# Allegro board 8880F5-0825_4.brd (continued)
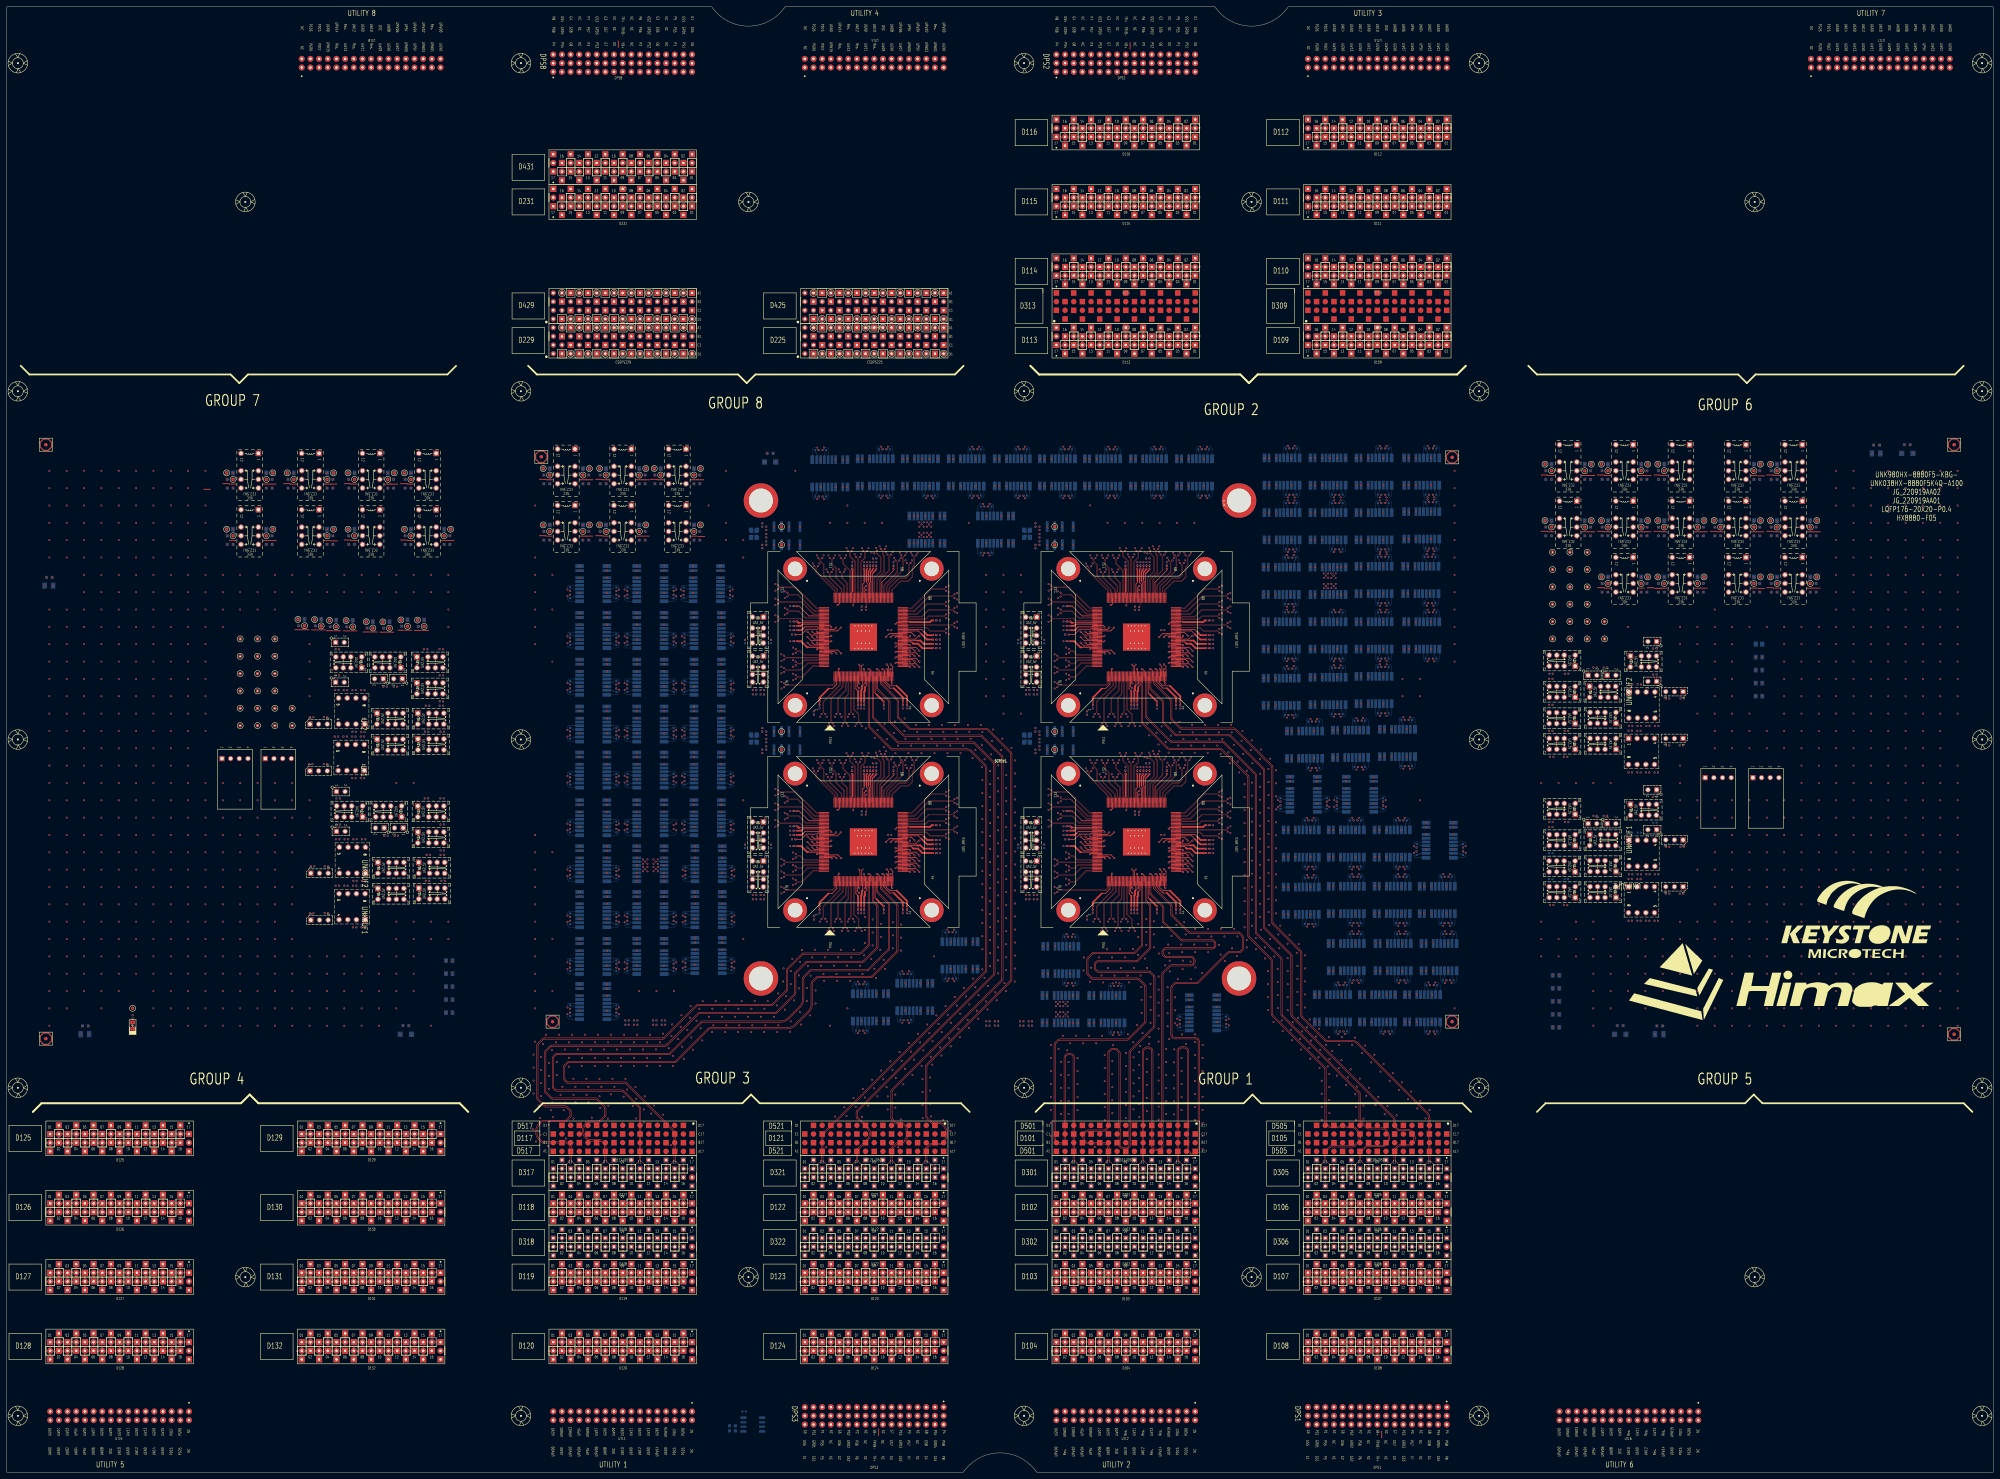
[diagram p0: board, top side]
## Routing (per net, layer and track width the routed paths; a pad name or vN(x,y) marks a point on that pad's centre or on a via; arc(x,y) is an arc through that point) (continued)
D31712: length 192.4
  TOP w0.147: D317.12 185.81,91.05 arc(185.65,91.29) 185.6,91.57 185.6,106.54 arc(185.54,106.82) 185.38,107.06 180.66,111.77 arc(180.42,111.93) 180.14,111.99 161,111.99 arc(160.87,112.01) 160.75,112.09 160.22,112.63 arc(160.14,112.74) 160.12,112.87 160.12,121.35 arc(160.14,121.48) 160.22,121.59 160.81,122.18 arc(160.92,122.26) 161.05,122.28 193.81,122.28 arc(194.09,122.34) 194.33,122.5 203.54,131.71 arc(203.65,131.78) 203.78,131.81 226.63,131.81 arc(227.89,132.06) 228.96,132.77 232.43,136.24 arc(233.15,137.31) 233.4,138.57 233.4,144.66 arc(233.42,144.79) 233.5,144.9 235.34,146.74 arc(235.45,146.82) 235.58,146.84 251.91,146.84 arc(252.19,146.9) 252.43,147.06 258.31,152.94 arc(258.47,153.18) 258.53,153.46 258.53,166.26 arc(258.47,166.55) 258.31,166.79 255.13,169.97 arc(255.05,170.08) 255.03,170.21 255.03,171.32 255.03,171.33 SITE3.33
D31714: length 192.4
  TOP w0.147: D317.14 195.14,91 arc(195.3,91.24) 195.36,91.52 195.36,99.55 arc(195.33,99.68) 195.26,99.79 181.22,113.83 arc(181.11,113.9) 180.98,113.93 164.32,113.93 arc(164.03,113.98) 163.79,114.14 163.21,114.72 arc(163.05,114.96) 163,115.24 163,118.79 arc(163.05,119.07) 163.21,119.31 164.03,120.12 arc(164.27,120.28) 164.55,120.34 195.52,120.34 arc(195.65,120.36) 195.76,120.44 205.36,130.04 arc(205.6,130.2) 205.88,130.25 228.64,130.25 arc(229.73,130.47) 230.66,131.09 234.67,135.09 arc(235.28,136.02) 235.5,137.11 235.5,143.23 arc(235.56,143.51) 235.72,143.75 237.01,145.04 arc(237.25,145.2) 237.53,145.26 253.04,145.26 arc(253.17,145.29) 253.28,145.36 260.49,152.56 arc(260.56,152.67) 260.59,152.8 260.59,165.95 arc(260.56,166.08) 260.49,166.19 255.99,170.69 arc(255.87,170.87) 255.83,171.08 255.83,171.32 255.83,171.33 SITE3.35
D31716: length 192.4
  TOP w0.147: D317.16 195.97,91.05 arc(195.81,91.29) 195.75,91.57 195.75,99.55 arc(195.7,99.83) 195.54,100.07 181.5,114.11 arc(181.26,114.27) 180.98,114.32 164.32,114.32 arc(164.18,114.35) 164.07,114.42 163.49,115 arc(163.42,115.11) 163.39,115.24 163.39,118.79 arc(163.42,118.92) 163.49,119.03 164.31,119.84 arc(164.42,119.92) 164.55,119.94 195.52,119.94 arc(195.8,120) 196.04,120.16 205.64,129.76 arc(205.75,129.83) 205.88,129.85 228.64,129.85 arc(229.88,130.1) 230.94,130.81 234.95,134.81 arc(235.65,135.87) 235.9,137.11 235.9,143.23 arc(235.92,143.36) 236,143.47 237.29,144.76 arc(237.4,144.84) 237.53,144.86 253.04,144.86 arc(253.33,144.92) 253.57,145.08 260.77,152.28 arc(260.93,152.52) 260.98,152.8 260.98,165.95 arc(260.93,166.24) 260.77,166.48 256.27,170.97 arc(256.24,171.02) 256.23,171.08 256.23,171.32 256.23,171.33 SITE3.36
D32102: length 192.4
  TOP w0.147: D321.02 238.38,91.06 arc(238.54,91.3) 238.59,91.58 238.59,98.62 arc(238.65,98.9) 238.81,99.14 286.48,146.81 arc(286.55,146.92) 286.58,147.05 286.58,206.14 arc(286.47,206.69) 286.16,207.15 282.19,211.12 arc(281.72,211.43) 281.18,211.54 259.33,211.54 arc(259.04,211.6) 258.81,211.76 252.45,218.11 arc(252.29,218.35) 252.23,218.64 252.23,231.32 252.23,231.33 SITE1.26
D32104: length 192.4
  TOP w0.147: D321.04 239.2,91 arc(239.04,91.23) 238.99,91.52 238.99,98.62 arc(239.01,98.75) 239.09,98.86 286.76,146.53 arc(286.92,146.77) 286.98,147.05 286.98,206.14 arc(286.84,206.84) 286.44,207.43 282.47,211.4 arc(281.88,211.8) 281.18,211.94 259.33,211.94 arc(259.2,211.96) 259.09,212.04 252.73,218.39 arc(252.65,218.51) 252.63,218.64 252.63,231.32 252.63,231.33 SITE1.27
D32106: length 192.4
  TOP w0.147: SITE1.29 253.43,231.33 253.43,231.32 253.43,221.34 arc(253.49,221.06) 253.65,220.82 260.72,213.75 arc(260.95,213.59) 261.24,213.54 282.95,213.54 arc(283.08,213.51) 283.19,213.44 288.87,207.76 arc(288.94,207.65) 288.97,207.52 288.97,146.11 arc(288.94,145.98) 288.87,145.87 248.9,105.91 arc(248.74,105.67) 248.69,105.39 248.69,104.2 arc(248.74,103.92) 248.9,103.68 251.97,100.62 arc(252.4,99.97) 252.55,99.2 252.55,99.08 arc(252.4,98.31) 251.97,97.66 248.95,94.64 arc(248.79,94.4) 248.74,94.12 248.74,91.56 arc(248.68,91.28) 248.52,91.04 D321.06
D32108: length 192.4
  TOP w0.147: D321.08 249.35,91.01 arc(249.19,91.25) 249.13,91.53 249.13,94.12 arc(249.16,94.25) 249.23,94.36 252.25,97.38 arc(252.77,98.16) 252.95,99.08 252.95,99.2 arc(252.77,100.12) 252.25,100.9 249.18,103.96 arc(249.11,104.07) 249.08,104.2 249.08,105.39 arc(249.11,105.52) 249.18,105.63 289.15,145.59 arc(289.31,145.83) 289.36,146.11 289.36,207.52 arc(289.31,207.8) 289.15,208.04 283.47,213.72 arc(283.23,213.88) 282.95,213.93 261.24,213.93 arc(261.11,213.96) 261,214.03 253.93,221.1 arc(253.85,221.21) 253.83,221.34 253.83,231.32 253.83,231.33 SITE1.30
D32110: length 192.4
  TOP w0.147: SITE1.32 254.63,231.33 254.63,231.32 254.63,229.68 arc(254.69,229.4) 254.85,229.16 258.13,225.88 arc(258.2,225.77) 258.23,225.64 258.23,220.21 arc(258.29,219.93) 258.45,219.69 262.34,215.8 arc(262.58,215.64) 262.86,215.58 285.09,215.58 arc(285.22,215.55) 285.33,215.48 291.24,209.57 arc(291.31,209.46) 291.34,209.33 291.34,144.47 arc(291.31,144.34) 291.24,144.23 259.08,112.07 arc(258.92,111.83) 258.86,111.55 258.86,103.77 arc(258.92,103.49) 259.08,103.25 260.09,102.24 arc(260.33,102.08) 260.61,102.02 261.58,102.02 arc(262.25,101.89) 262.82,101.51 arc(263.2,100.94) 263.34,100.27 263.34,98.31 arc(263.23,97.75) 262.91,97.28 262.84,97.21 arc(262.36,96.89) 261.8,96.78 261.07,96.78 arc(260.79,96.72) 260.55,96.56 259.08,95.09 arc(258.92,94.85) 258.86,94.57 258.86,91.53 arc(258.81,91.25) 258.65,91.01 D321.10
D32112: length 192.4
  TOP w0.147: D321.12 259.48,91.04 arc(259.32,91.28) 259.26,91.56 259.26,94.57 arc(259.29,94.7) 259.36,94.81 260.83,96.28 arc(260.94,96.35) 261.07,96.38 261.8,96.38 arc(262.51,96.52) 263.12,96.93 263.19,97 arc(263.59,97.6) 263.73,98.31 263.73,100.27 arc(263.57,101.09) 263.1,101.79 arc(262.41,102.26) 261.58,102.42 260.61,102.42 arc(260.48,102.45) 260.37,102.52 259.36,103.53 arc(259.29,103.64) 259.26,103.77 259.26,111.55 arc(259.29,111.68) 259.36,111.79 291.52,143.95 arc(291.68,144.19) 291.74,144.47 291.74,209.33 arc(291.68,209.61) 291.52,209.85 285.61,215.76 arc(285.37,215.92) 285.09,215.98 262.86,215.98 arc(262.73,216) 262.62,216.08 258.73,219.97 arc(258.65,220.08) 258.63,220.21 258.63,225.64 arc(258.57,225.92) 258.41,226.16 255.13,229.44 arc(255.05,229.55) 255.03,229.68 255.03,231.32 255.03,231.33 SITE1.33
D32114: length 192.4
  TOP w0.147: D321.14 268.82,91.02 arc(268.98,91.26) 269.04,91.55 269.04,94.71 arc(269.1,95) 269.26,95.23 270.17,96.15 arc(270.41,96.31) 270.69,96.37 273.45,96.37 arc(273.58,96.39) 273.69,96.47 274.2,96.97 arc(274.81,97.88) 275.02,98.96 275.02,99.37 arc(274.81,100.45) 274.2,101.36 273.53,102.03 arc(273.42,102.1) 273.29,102.13 271.08,102.13 arc(270.8,102.18) 270.56,102.34 269.26,103.65 arc(269.1,103.89) 269.04,104.17 269.04,118.95 arc(269.1,119.23) 269.26,119.47 293.83,144.04 arc(293.9,144.15) 293.93,144.28 293.93,210.44 arc(293.9,210.57) 293.83,210.68 287.07,217.44 arc(286.96,217.51) 286.83,217.54 264.6,217.54 arc(264.31,217.59) 264.07,217.75 260.94,220.89 arc(260.78,221.13) 260.72,221.41 260.72,225.92 arc(260.7,226.05) 260.62,226.16 256.01,230.77 arc(255.88,230.97) 255.83,231.2 255.83,231.32 255.83,231.33 SITE1.35
D32116: length 192.4
  TOP w0.147: D321.16 269.65,91.03 arc(269.49,91.27) 269.44,91.55 269.44,94.71 arc(269.46,94.84) 269.54,94.95 270.45,95.87 arc(270.56,95.94) 270.69,95.97 273.45,95.97 arc(273.73,96.02) 273.97,96.18 274.48,96.69 arc(275.18,97.73) 275.42,98.96 275.42,99.37 arc(275.18,100.6) 274.48,101.64 273.81,102.31 arc(273.57,102.47) 273.29,102.52 271.08,102.52 arc(270.95,102.55) 270.84,102.62 269.54,103.93 arc(269.46,104.04) 269.44,104.17 269.44,118.95 arc(269.46,119.08) 269.54,119.19 294.11,143.76 arc(294.27,144) 294.32,144.28 294.32,210.44 arc(294.27,210.72) 294.11,210.96 287.35,217.72 arc(287.11,217.88) 286.83,217.93 264.6,217.93 arc(264.47,217.96) 264.35,218.03 261.22,221.17 arc(261.14,221.28) 261.12,221.41 261.12,225.92 arc(261.06,226.2) 260.9,226.44 256.29,231.06 arc(256.24,231.12) 256.23,231.2 256.23,231.32 256.23,231.33 SITE1.36
Net_700: length 3
  BOTTOM w0.119: 192.47,190.12 194.3,190.12 194.78,190.59 195.26,190.59
Net_701: length 3
  BOTTOM w0.119: 192.47,187.92 194.3,187.92 194.78,187.45 195.26,187.45
S1_1AUX+:
  vias: v1(221.73,229.11)
S1_1AUX-:
  vias: v1(218.45,229.11)
S1_1TX_100DCH001+: length 2.5
  BOTTOM w0.119: v1(267.84,277.62) K43.6
  vias: v1(178.5,217.02)
S1_1TX_100DCH001-: length 2.5
  BOTTOM w0.119: v1(267.84,274.58) K43.3
  vias: v1(178.5,215.88)
S1_1TX_100DCH002+: length 15.4
  TOP w0.086: SITE1.75 263.98,248.03 264.06,248.11 277.07,248.11 v1(277.52,247.66)
  vias: v1(164.91,217.02)
S1_1TX_100DCH002-: length 15.4
  TOP w0.086: v1(277.52,248.8) 277.07,248.35 264.06,248.35 263.98,248.43 SITE1.76
  vias: v1(164.91,215.88)
S1_1TX_100DCH003+: length 13.3
  TOP w0.086: SITE1.79 263.98,249.63 264.06,249.71 269.05,249.71 269.94,250.59 274.62,250.59 v1(275.08,250.14)
  vias: v1(212.03,230.74)
S1_1TX_100DCH003-: length 13.3
  TOP w0.086: v1(275.08,251.28) 274.62,250.83 269.84,250.83 268.95,249.95 264.06,249.95 263.98,250.03 SITE1.80
  vias: v1(212.03,229.6)
S1_1TX_100DCH004+: length 16.2
  TOP w0.086: v1(277.52,252.08) 277.07,252.53 270.02,252.53 267.99,250.51 264.06,250.51 263.98,250.43 SITE1.81
  vias: v1(198.44,230.74)
S1_1TX_100DCH004-: length 16.2
  TOP w0.086: SITE1.82 263.98,250.83 264.06,250.75 267.9,250.75 269.92,252.77 277.07,252.77 v1(277.52,253.22)
  vias: v1(198.44,229.6)
S1_1TX_100DCH005+: length 14.2
  TOP w0.086: v1(275.08,253.77) 274.62,254.22 269.53,254.22 266.61,251.31 264.06,251.31 263.98,251.23 SITE1.83
  vias: v1(296.56,299.66)
S1_1TX_100DCH005-: length 14.2
  TOP w0.086: SITE1.84 263.98,251.63 264.06,251.55 266.51,251.55 269.43,254.46 274.62,254.46 v1(275.08,254.92)
  vias: v1(297.71,299.66)
S1_1TX_100DCH006+: length 17.2
  TOP w0.086: v1(277.52,256.03) 277.07,256.49 270.12,256.49 265.74,252.11 264.06,252.11 263.98,252.03 SITE1.85
  vias: v1(296.56,286.07)
S1_1TX_100DCH006-: length 17.2
  TOP w0.086: v1(277.52,257.18) 277.07,256.73 270.02,256.73 265.64,252.35 264.06,252.35 263.98,252.43 SITE1.86
  vias: v1(297.71,286.07)
S1_1TX_100DCH007+: length 15.3
  TOP w0.086: v1(275.08,258.17) 274.62,258.62 270.67,258.62 264.96,252.91 264.06,252.91 263.98,252.83 SITE1.87
  vias: v1(309.77,299.66)
S1_1TX_100DCH007-: length 15.3
  TOP w0.086: v1(275.08,259.31) 274.62,258.86 270.57,258.86 264.86,253.15 264.06,253.15 263.98,253.23 SITE1.88
  vias: v1(310.92,299.66)
S1_2AUX+:
  vias: v1(184.65,132.33) v1(184.65,131.06) v1(220.73,229.11) v1(220.73,227.84)
S1_2AUX-:
  vias: v1(181.11,131.06) v1(182.11,132.33) v1(219.45,229.11) v1(219.45,227.84)
S1_2TX_100DCH001+: length 16.7
  TOP w0.086: v1(266.32,268.6) 265.87,268.15 265.87,265.63 265.31,265.07 265.31,262.18 263.95,260.83 261.74,260.83 259.35,258.44 259.35,257.86 259.43,257.78 SITE1.89
  vias: v1(309.77,286.07)
S1_2TX_100DCH001-: length 16.7
  TOP w0.086: v1(265.18,268.6) 265.63,268.15 265.63,265.73 265.07,265.17 265.07,262.28 263.85,261.07 261.64,261.07 259.11,258.53 259.11,257.86 259.03,257.78 SITE1.90
  vias: v1(310.92,286.07)
S1_2TX_100DCH002+: length 13.9
  TOP w0.086: SITE1.91 258.63,257.78 258.55,257.86 258.55,259 261.27,261.72 263.16,261.72 264.22,262.77 264.22,265.88 v1(264.67,266.34)
  vias: v1(349.9,299.66)
S1_2TX_100DCH002-: length 13.9
  TOP w0.086: v1(263.52,266.34) 263.98,265.88 263.98,262.87 263.07,261.96 261.17,261.96 258.31,259.1 258.31,257.86 258.23,257.78 SITE1.92
  vias: v1(351.05,299.66)
S1_2TX_100DCH003+: length 14.7
  TOP w0.086: v1(263.07,268.6) 262.61,268.15 262.61,264.3 257.75,259.44 257.75,257.86 257.83,257.78 SITE1.93
  vias: v1(349.9,286.07)
S1_2TX_100DCH003-: length 14.7
  TOP w0.086: v1(261.92,268.6) 262.37,268.15 262.37,264.4 257.51,259.54 257.51,257.86 257.43,257.78 SITE1.94
  vias: v1(351.05,286.07)
S1_2TX_100DCH004+: length 12.8
  TOP w0.086: v1(261.36,267.09) 260.9,266.64 260.9,263.67 256.95,259.72 256.95,257.86 257.03,257.78 SITE1.95
  vias: v1(336.44,299.66)
S1_2TX_100DCH004-: length 12.8
  TOP w0.086: v1(260.21,267.09) 260.67,266.64 260.67,263.77 256.71,259.82 256.71,257.86 256.63,257.78 SITE1.96
  vias: v1(337.59,299.66)
S1_2TX_100DCH005+: length 14.1
  TOP w0.086: SITE1.98 255.83,257.78 255.75,257.86 255.75,261.37 258.54,264.15 258.54,268.38 v1(258.99,268.83)
  vias: v1(336.44,286.07)
S1_2TX_100DCH005-: length 14.1
  TOP w0.086: v1(257.84,268.83) 258.3,268.38 258.3,264.25 255.51,261.47 255.51,257.86 255.43,257.78 SITE1.99
  vias: v1(337.59,286.07)
S1_2TX_100DCH006+: length 15.6
  TOP w0.086: v1(257.1,270.44) 256.65,269.99 256.65,268.9 257.04,268.51 257.04,263.68 254.95,261.59 254.95,257.86 255.03,257.78 SITE1.100
  vias: v1(322.98,299.66)
S1_2TX_100DCH006-: length 15.6
  TOP w0.086: v1(255.96,270.44) 256.41,269.99 256.41,268.8 256.8,268.41 256.8,263.78 254.71,261.69 254.71,257.86 254.63,257.78 SITE1.101
  vias: v1(324.12,299.66)
S1_2TX_100DCH007+: length 15.1
  TOP w0.086: SITE1.102 254.23,257.78 254.15,257.86 254.15,261.95 255.98,263.78 255.98,268.13 254.78,269.33 v1(254.78,269.97)
  vias: v1(322.98,286.07)
S1_2TX_100DCH007-: length 14.9
  TOP w0.086: SITE1.103 253.83,257.78 253.91,257.86 253.91,262.05 255.74,263.88 255.74,268.03 254.61,269.17 v1(253.98,269.17)
  vias: v1(324.12,286.07)
S1_3TX_100DCH002+: length 12.2
  TOP w0.086: SITE1.114 249.43,257.78 249.35,257.86 249.35,267.66 v1(249.8,268.11)
  vias: v1(269.64,286.07)
S1_3TX_100DCH002-: length 12.2
  TOP w0.086: v1(248.66,268.11) 249.11,267.66 249.11,257.86 249.03,257.78 SITE1.115
  vias: v1(270.78,286.07)
S1_3TX_100DCH003+: length 14.7
  TOP w0.086: v1(247.41,269.9) 246.96,269.45 246.96,268.41 248.55,266.82 248.55,257.86 248.63,257.78 SITE1.116
  vias: v1(287.38,269.3)
S1_3TX_100DCH003-: length 14.7
  TOP w0.086: v1(246.26,269.9) 246.72,269.45 246.72,268.31 248.31,266.72 248.31,257.86 248.23,257.78 SITE1.117
  vias: v1(286.24,269.3)
S1_3TX_100DCH004+: length 12.7
  TOP w0.086: SITE1.120 247.03,257.78 246.95,257.86 246.95,264.17 244.91,266.21 244.91,267.36 v1(245.36,267.81)
  vias: v1(287.38,282.89)
S1_3TX_100DCH004-: length 12.7
  TOP w0.086: v1(244.22,267.81) 244.67,267.36 244.67,266.11 246.71,264.07 246.71,257.86 246.63,257.78 SITE1.121
  vias: v1(286.24,282.89)
S1_3TX_100DCH005+: length 8.4
  TOP w0.086: v1(245.11,263.69) 244.65,263.24 244.65,262.03 246.15,260.53 246.15,257.86 246.23,257.78 SITE1.122
  vias: v1(238.87,285.81)
S1_3TX_100DCH005-: length 8.4
  TOP w0.086: v1(243.96,263.69) 244.42,263.24 244.42,261.93 245.91,260.44 245.91,257.86 245.83,257.78 SITE1.123
  vias: v1(237.72,285.81)
S1_3TX_100DCH006+: length 13.4
  TOP w0.086: SITE1.124 245.43,257.78 245.35,257.86 245.35,259.65 242.87,262.13 242.87,264.93 241.66,266.13 241.66,267.36 v1(242.12,267.81)
  vias: v1(238.87,299.4)
S1_3TX_100DCH006-: length 13.4
  TOP w0.086: v1(240.97,267.81) 241.43,267.36 241.43,266.04 242.63,264.83 242.63,262.03 245.11,259.55 245.11,257.86 245.03,257.78 SITE1.125
  vias: v1(237.72,299.4)
S1_3TX_100DCH007+: length 9.2
  TOP w0.086: SITE1.126 244.63,257.78 244.55,257.86 244.55,258.72 241.08,262.2 241.08,263.24 v1(241.53,263.69)
  vias: v1(256.43,299.66)
S1_3TX_100DCH007-: length 9.2
  TOP w0.086: v1(240.39,263.69) 240.84,263.24 240.84,262.1 244.31,258.63 244.31,257.86 244.23,257.78 SITE1.127
  vias: v1(257.58,299.66)
S1_4TX_100DCH001+: length 14
  TOP w0.086: SITE1.129 243.43,257.78 243.35,257.86 243.35,258.57 239.3,262.62 239.3,265.93 238.34,266.89 238.34,267.36 v1(238.79,267.81)
  vias: v1(256.43,286.07)
S1_4TX_100DCH001-: length 14
  TOP w0.086: SITE1.130 243.03,257.78 243.11,257.86 243.11,258.47 239.06,262.52 239.06,265.83 238.1,266.79 238.1,267.36 v1(237.64,267.81)
  vias: v1(257.58,286.07)
S1_4TX_100DCH002+: length 11.8
  TOP w0.086: SITE1.131 242.63,257.78 242.55,257.86 242.55,258.26 237.11,263.7 237.11,264.97 v1(237.56,265.42)
  vias: v1(283.1,299.66)
S1_4TX_100DCH002-: length 11.8
  TOP w0.086: SITE1.132 242.23,257.78 242.31,257.86 242.31,258.16 236.87,263.6 236.87,264.97 v1(236.42,265.42)
  vias: v1(284.25,299.66)
S1_4TX_100DCH003+: length 16.3
  TOP w0.086: v1(225.81,259.77) 226.27,259.32 231.06,259.32 237.23,253.15 237.6,253.15 237.68,253.23 SITE1.133
  vias: v1(283.1,286.07)
S1_4TX_100DCH003-: length 16.3
  TOP w0.086: SITE1.134 237.68,252.83 237.6,252.91 237.13,252.91 230.96,259.08 226.27,259.08 v1(225.81,258.63)
  vias: v1(284.25,286.07)
S1_4TX_100DCH004+: length 13
  TOP w0.086: v1(228.57,257.65) 229.02,257.2 231.68,257.2 236.53,252.35 237.6,252.35 237.68,252.43 SITE1.135
  vias: v1(178.5,258.17)
S1_4TX_100DCH004-: length 13
  TOP w0.086: SITE1.136 237.68,252.03 237.6,252.11 236.43,252.11 231.58,256.96 229.02,256.96 v1(228.57,256.51)
  vias: v1(178.5,257.03)
S1_4TX_100DCH005+: length 15.2
  TOP w0.086: v1(225.81,255.53) 226.27,255.08 232.64,255.08 236.17,251.55 237.6,251.55 237.68,251.63 SITE1.137
  vias: v1(164.91,258.17)
S1_4TX_100DCH005-: length 15.2
  TOP w0.086: SITE1.138 237.68,251.23 237.6,251.31 236.07,251.31 232.55,254.84 226.27,254.84 v1(225.81,254.39)
  vias: v1(164.91,257.03)
S1_4TX_100DCH006+: length 11.8
  TOP w0.086: v1(228.57,252.73) 229.02,252.28 232.03,252.28 233.96,250.35 237.6,250.35 237.68,250.43 SITE1.140
  vias: v1(195.26,258.17)
S1_4TX_100DCH006-: length 11.8
  TOP w0.086: SITE1.141 237.68,250.03 237.6,250.11 233.86,250.11 231.93,252.04 229.02,252.04 v1(228.57,251.59)
  vias: v1(195.26,257.03)
S1_4TX_100DCH007+: length 14
  TOP w0.086: SITE1.142 237.68,249.63 237.6,249.55 233.04,249.55 232.4,250.19 226.27,250.19 v1(225.81,250.64)
  vias: v1(181.67,258.17)
S1_4TX_100DCH007-: length 14
  TOP w0.086: SITE1.143 237.68,249.23 237.6,249.31 232.94,249.31 232.3,249.95 226.27,249.95 v1(225.81,249.49)
  vias: v1(181.67,257.03)
S1_AUX_100DCH002+:
  vias: v1(183.65,132.33)
S1_AUX_100DCH002-:
  vias: v1(181.11,132.33)
S1_AUXCH+: length 3.6
  TOP w0.203: v2(250.6,236.57) 250.23,236.2 SITE1.21
S1_AUXCH-: length 3.6
  TOP w0.203: v2(249.46,236.57) 249.83,236.2 SITE1.20
S1_AVDD11_RX: length 8.4
  TOP w0.231: 254.67,227.85 254.23,228.29 SITE1.31
  TOP w0.508: v1(256.77,225.75) 254.67,227.85
  vias: v1(158.96,294) v1(158.96,292.1) v1(256.77,223.71)
S1_AVDD11_XTAL: length 8.8
  TOP w0.231: SITE1.105 253.03,260.95 252.87,261.11 252.87,261.45
  TOP w0.381: 252.87,261.45 252.87,263.59 253.72,264.44 v1(253.72,264.54)
  vias: v1(201.21,277.5) v1(201.21,275.59) v1(253.72,266.58)
S1_AVDD18_RX: length 7.7
  TOP w0.231: SITE1.25 251.83,230.56 251.28,230.01
  TOP w0.508: 251.28,230.01 251.28,228.9 251.06,228.68 v1(251.06,225.75)
  vias: v1(168.7,294) v1(168.7,292.1) v1(251.06,223.71)
S1_DCH041: length 2.2
  TOP w0.231: v1(237.23,243.03) 237.43,242.83 SITE1.159
S1_DCH042: length 3.7
  TOP w0.231: v1(235.83,243.03) 236.43,242.43 SITE1.160
S1_DCH043: length 5.3
  TOP w0.231: SITE1.161 235.44,242.03 v1(234.44,243.03)
S1_DCH044: length 2.2
  TOP w0.231: SITE1.163 237.43,241.23 v1(237.23,241.03)
S1_DCH045: length 5.4
  TOP w0.231: v1(244.35,239.83) 243.35,240.83 SITE1.164
S1_DCH046: length 3.9
  TOP w0.231: v1(242.95,239.83) 242.35,240.43 SITE1.165
S1_DCH047: length 2.3
  TOP w0.231: SITE1.166 241.36,240.03 v1(241.56,239.83)
S1_DCH048:
  vias: v1(229.05,276.97)
S1_DCH049:
  vias: v1(229.05,271.67)
S1_DPS_F_001:
  vias: v1(101.29,249.52) v1(101.29,247.61) v1(182.11,131.06) v1(221.73,227.84)
S1_DPS_F_002: length 10.1
  TOP w0.231: 240.65,229.55 241.72,229.55 243.03,230.86 SITE1.3
  TOP w0.508: 240.65,229.55 237.98,226.88 v1(237.98,225.75)
  vias: v1(185.21,294) v1(185.21,292.1) v1(236.32,222.9) v1(237.98,223.71)
S1_DPS_F_003: length 63.1
  TOP w0.231: 232.83,248.18 233.08,248.43 SITE1.145 ; 251.69,261.16 251.69,260.65 252.23,260.11 SITE1.107 ; SITE1.71 266.94,246.43 267.84,245.53 ; SITE1.63 264.9,243.23 265.2,242.93 ; 249.28,228.85 248.63,229.5 SITE1.17 ; SITE1.37 256.63,231.59 258.57,229.66 259.73,229.66 ; 234.63,241.63 SITE1.162
  TOP w0.381: 251.69,261.16 251.69,264.28 v1(251.94,264.54)
  TOP w0.508: v1(262.36,225.75) 262.36,227.02 259.73,229.66 ; v1(271.22,243.91) 269.46,243.91 267.84,245.53 ; 234.63,241.63 234.37,241.63 232.59,243.41 v1(231.44,243.41) ; 265.2,242.93 265.45,242.67 266.8,242.67 268.11,241.37 v1(271.22,241.37) ; v1(231.44,247.93) 232.58,247.93 232.83,248.18 ; v1(249.28,225.75) 249.28,228.85
  vias: v1(114.29,230.12) v1(175.47,294) v1(175.47,292.1) v1(229.4,247.93) v1(229.4,243.41) v1(249.28,223.71) v1(251.54,252.61) v1(251.94,266.58) v1(262.36,223.71) v1(273.27,243.91) v1(273.27,243.91) v1(273.27,241.37) v1(273.27,241.37)
S1_DPS_F_006: length 9.6
  TOP w0.231: SITE1.72 267.92,246.83 268.55,246.19
  TOP w0.508: v1(271.22,245.18) 269.56,245.18 268.55,246.19
  vias: v1(168.7,277.5) v1(168.7,275.59) v1(259,246.67) v1(273.27,245.18) v1(273.27,245.18)
S1_DPS_F_007: length 19.1
  TOP w0.231: 264.37,249.01 264.15,249.23 SITE1.78 ; v1(259.65,264.54) 259.65,264.13 256.23,260.71 SITE1.97
  TOP w0.508: v1(271.22,249.5) 270.8,249.5 270.31,249.01 264.37,249.01
  BOTTOM w0.119: CC27.1 v1(273.27,249.5)
  vias: v1(185.21,277.5) v1(185.21,275.59) v1(259.65,266.58)
S1_DPS_F_009: length 8.8
  TOP w0.231: SITE1.106 252.63,260.53 252.26,260.9 252.26,261.12
  TOP w0.381: v1(252.83,264.54) 252.83,264.39 252.26,263.82 252.26,261.12
  vias: v1(201.21,294) v1(201.21,292.1) v1(252.83,266.58) v1(253.61,267.66)
S1_DPS_F_010: length 8.6
  TOP w0.231: 251.05,261.13 251.05,260.57 250.63,260.15 SITE1.111
  TOP w0.381: 251.05,261.13 v1(251.05,264.54)
  vias: v1(191.48,294) v1(191.48,292.1) v1(250.34,253.59) v1(251.05,266.58)
S1_DPS_F_011: length 17.6
  TOP w0.231: SITE1.119 247.43,257.79 247.64,258.01 ; v1(231.44,253.69) 232.01,253.69 234.87,250.83 SITE1.139
  TOP w0.508: 247.64,258.01 247.64,264.47 v1(247.57,264.54)
  vias: v1(175.47,277.5) v1(175.47,275.59) v1(229.4,253.69) v1(247.57,266.58)
S1_DPS_F_012: length 8
  TOP w0.231: 232.2,248.83 SITE1.144
  TOP w0.508: 232.2,248.83 231.81,248.83 v1(231.44,249.2)
  vias: v1(158.96,277.5) v1(158.96,275.59) v1(229.4,249.2)
S1_DPS_F_013:
  vias: v1(89.53,207.41) v1(89.77,221.18) v1(96.02,215.5) v1(96.12,229.1) v1(96.42,249.57) v1(96.42,247.66) v1(97.27,241.05) v1(97.27,233.43) v1(98.56,215.5) v1(98.66,229.1) v1(101.1,215.5) v1(101.1,203.31) v1(101.2,229.1) v1(101.2,216.91) v1(103.64,203.31) v1(104.64,215.5) v1(104.74,229.1) v1(104.75,216.86) v1(122.12,241.1) v1(126.75,233.43) v1(126.75,225.81)
S1_ISP00+: length 15.9
  TOP w0.086: SITE1.73 263.98,247.23 264.06,247.31 269.31,247.31 270.29,246.33 274.62,246.33 v1(275.08,245.88)
  BOTTOM w0.119: v1(270.04,277.62) K43.7
S1_ISP00-: length 15.9
  TOP w0.086: SITE1.74 263.98,247.63 264.06,247.55 269.41,247.55 270.39,246.57 274.62,246.57 v1(275.08,247.02)
  BOTTOM w0.119: v1(270.04,274.58) K43.2
S1_ISP14+: length 14.5
  TOP w0.086: SITE1.112 250.23,257.78 250.15,257.86 250.15,266.59 251.48,267.92 251.48,269.45 v1(251.93,269.9)
  vias: v1(265.64,280.1)
S1_ISP14-: length 14.5
  TOP w0.086: v1(250.79,269.9) 251.24,269.45 251.24,268.02 249.91,266.69 249.91,257.86 249.83,257.78 SITE1.113
  vias: v1(265.64,272.1)
S1_ISP_1LOCK:
  vias: v1(229.91,245.39)
S1_M_DPS_F_001: length 45.2
  TOP w0.231: 260.57,230.37 258.54,230.37 257.43,231.49 SITE1.39 ; SITE1.104 253.43,263.21 ; 266.49,243.63 SITE1.64 ; SITE1.147 233.7,247.63 233.24,247.18 ; 250.63,230.54 SITE1.22
  TOP w0.381: v1(254.61,264.54) 254.61,264.39 253.43,263.21
  TOP w0.508: 250.63,230.54 250.38,230.28 250.38,229.17 250.17,228.96 v1(250.17,225.75) ; 266.49,243.63 267.49,243.63 268.48,242.64 v1(271.22,242.64) ; 260.57,230.37 263.63,227.31 v1(263.63,225.75) ; 233.24,247.18 232.72,246.66 v1(231.44,246.66)
  vias: v1(118.32,292.74) v1(118.32,290.83) v1(229.4,246.66) v1(250.17,223.71) v1(254.61,266.58) v1(263.63,223.71) v1(273.27,242.64) v1(273.27,242.64)
S1_PS9G_DCH001: length 3.7
  TOP w0.231: SITE1.18 249.03,230.23 v1(249.63,229.63)
S1_PS9G_DCH002: length 2.2
  TOP w0.231: v1(249.63,231.03) 249.43,231.23 SITE1.19
S1_PS9G_DCH003: length 2.2
  TOP w0.231: SITE1.24 251.43,231.23 v1(251.23,231.03)
S1_PS9G_DCH004: length 2.2
  TOP w0.231: SITE1.40 257.83,235.03 v1(257.63,235.23)
S1_PS9G_DCH005: length 2.2
  TOP w0.231: v1(264.43,235.83) 264.23,236.03 SITE1.45
S1_PS9G_DCH006: length 3.7
  TOP w0.231: v1(265.83,235.83) 265.23,236.43 SITE1.46
S1_PS9G_DCH007: length 5.3
  TOP w0.231: v1(267.23,235.83) 266.22,236.83 SITE1.47
S1_PS9G_DCH009: length 2.2
  TOP w0.231: v1(264.43,237.43) 264.23,237.63 SITE1.49
S1_PS9G_DCH010: length 3.7
  TOP w0.231: v1(265.83,237.43) 265.23,238.03 SITE1.50
S1_PS9G_DCH011: length 5.3
  TOP w0.231: SITE1.51 266.22,238.43 v1(267.23,237.43)
S1_PS9G_DCH014: length 3.7
  TOP w0.231: v1(265.83,239.03) 265.23,239.63 SITE1.54
S1_PS9G_DCH015: length 5.3
  TOP w0.231: SITE1.55 266.22,240.03 v1(267.23,239.03)
S1_PS9G_DCH022: length 5.3
  TOP w0.231: v1(267.23,245.03) 267.05,245.03 266.05,244.03 SITE1.65
S1_PS9G_DCH023: length 2.5
  TOP w0.231: SITE1.66 264.03,244.43 264.43,244.83 v1(264.43,245.03)
S1_PS9G_DCH027: length 3.9
  TOP w0.231: SITE1.70 264.83,246.03 v1(265.83,245.03)
S1_PS9G_DCH028: length 2.3
  TOP w0.231: SITE1.77 260.6,248.83 v1(260.23,248.46)
S1_PS9G_DCH029: length 2.2